# Altium PCB AD9361_EXT.PcbDoc (part 1 of 9) (continued)
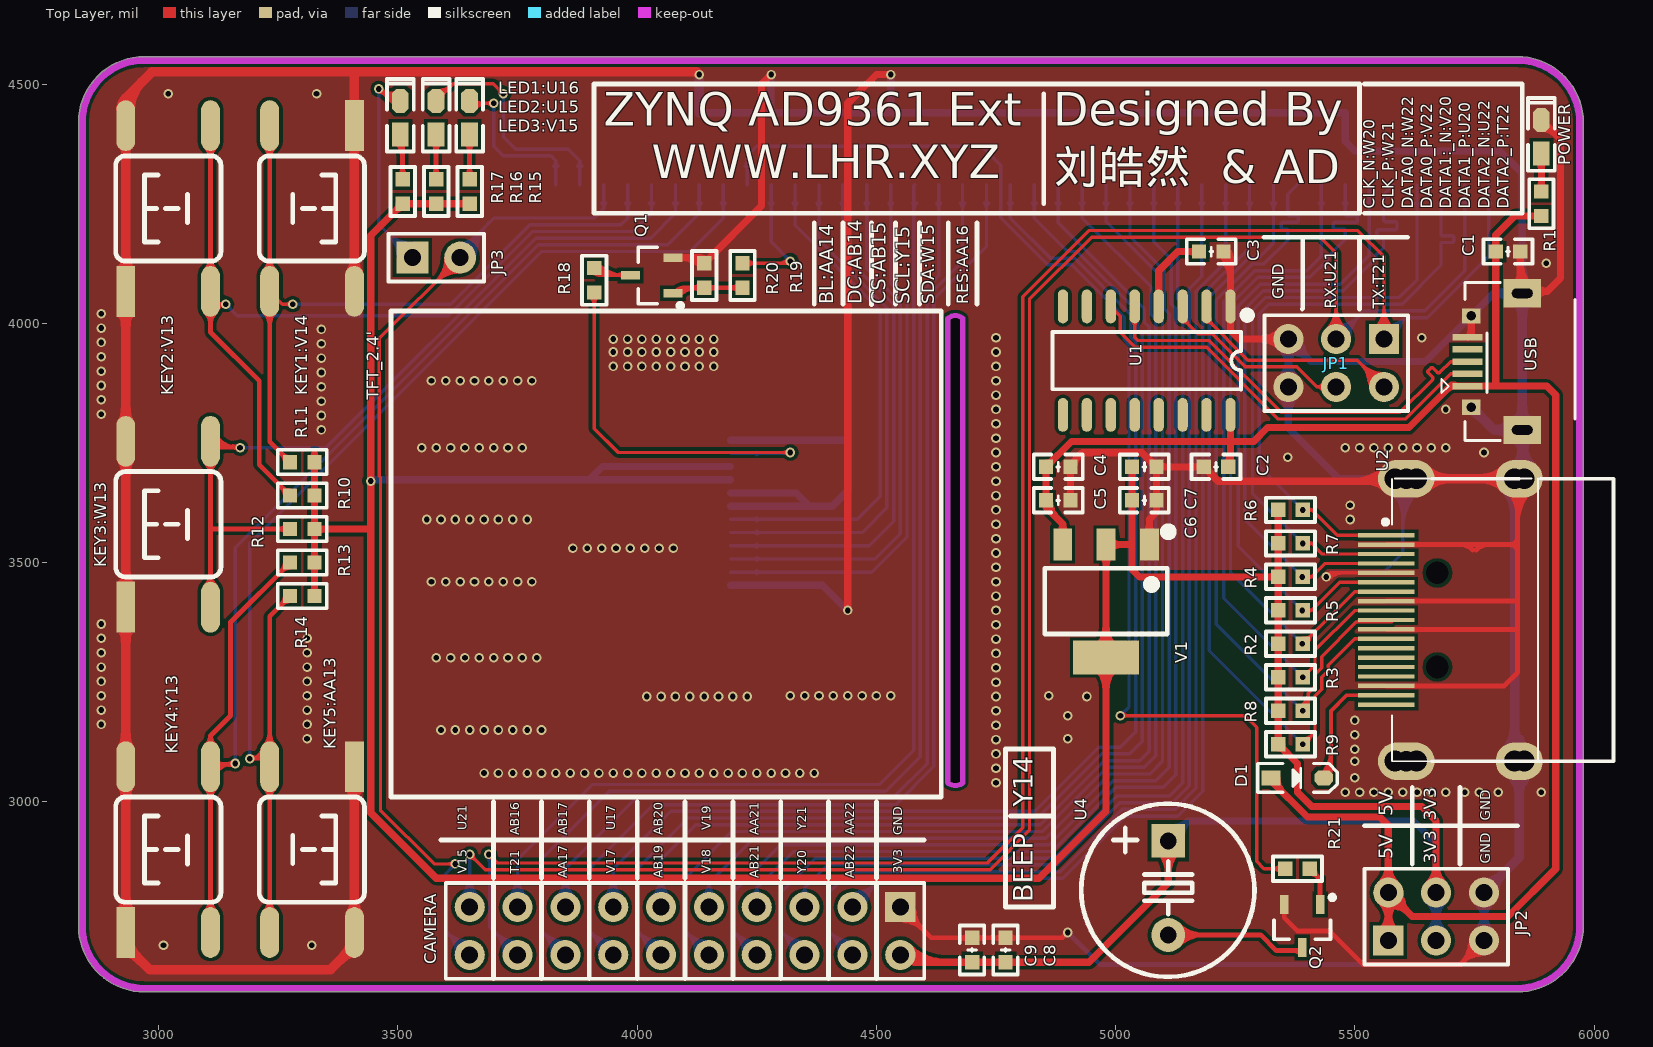
[diagram p0: Top Layer view]
## Nets (pads, with @x,y where several pads share a name; then routed paths per layer and width w, separated by ;. In a path a pad name is that pad's centre, name@x,y a point inside that pad or via, vN(x,y) a via of type N, cw(c..) or ccw(c..) an arc to the next point about the centre after c; other vN are vias at no path point)
3V3: C6.1 C7.1 C8.1 C9.1 CAMERA.2 JP2.3 JP2.4 R2.2 R3.2 R4.2 R5.2 R6.2 R7.2 R8.2 R9.2 R10.2 R11.2 R12.2 R13.2 R14.2 R15.1 R16.1 R17.1 TFT_2.4'.3 TFT_2.4'.4 U4.1 V1.2 | length 17399.6
  Top Layer w15: R14.2@3325.59,3430 R13.2@3325.59,3500 R12.2@3325.59,3570 ; R11.2@3325.59,3710 R10.2@3325.59,3640 R12.2@3325.59,3570 ; R15.1@3649.74,4250 R16.1@3579.74,4250 R17.1@3509.74,4250 3443.18,4183.44 3443.18,3570 ; CAMERA.2@4550,2680 4562.99,2680 4578.58,2664.41 C9.1@4700,2664.41 C8.1@4770,2664.41 4944.41,2664.41 5110,2830 U4.1@5110,2918.43 ; C7.1@5034.41,3700 C6.1@5034.41,3630 ; R6.2@5340,3610 R7.2@5340,3540 R4.2@5340,3470 ; JP2.4@5670,2810 5670,2960 5640,2990 5410,2990 5380,3020 5380,3080 R9.2@5340,3120 R8.2@5340,3190 R3.2@5340,3260 R2.2@5340,3330 R5.2@5340,3400 R4.2@5340,3470 ; R14.2@3320.28,3435.3 ccw(c3307.48,3448.1) 3325.59,3448.1 ; R14.2@3320.28,3435.3 ccw(c3307.48,3448.1) 3325.59,3448.1 ; R14.2@3320.28,3435.3 ccw(c3307.48,3448.1) 3325.59,3448.1 ; R14.2@3320.28,3435.3 ccw(c3307.48,3448.1) 3325.59,3448.1 ; R14.2@3320.28,3435.3 ccw(c3307.48,3448.1) 3325.59,3448.1 ; R14.2@3320.28,3435.3 ccw(c3307.48,3448.1) 3325.59,3448.1 ; R13.2@3320.28,3494.69 cw(c3307.48,3481.89) 3325.59,3481.89 ; R13.2@3320.28,3494.69 cw(c3307.48,3481.89) 3325.59,3481.89 ; R13.2@3320.28,3494.69 cw(c3307.48,3481.89) 3325.59,3481.89 ; R13.2@3320.28,3494.69 cw(c3307.48,3481.89) 3325.59,3481.89 ; R13.2@3320.28,3494.69 cw(c3307.48,3481.89) 3325.59,3481.89 ; R13.2@3320.28,3494.69 cw(c3307.48,3481.89) 3325.59,3481.89 ; R13.2@3320.28,3505.3 ccw(c3307.48,3518.1) 3325.59,3518.1 ; R13.2@3320.28,3505.3 ccw(c3307.48,3518.1) 3325.59,3518.1 ; R13.2@3320.28,3505.3 ccw(c3307.48,3518.1) 3325.59,3518.1 ; R13.2@3320.28,3505.3 ccw(c3307.48,3518.1) 3325.59,3518.1 ; R13.2@3320.28,3505.3 ccw(c3307.48,3518.1) 3325.59,3518.1 ; R13.2@3320.28,3505.3 ccw(c3307.48,3518.1) 3325.59,3518.1 ; R12.2@3320.28,3564.69 cw(c3307.48,3551.89) 3325.59,3551.89 ; R12.2@3320.28,3564.69 cw(c3307.48,3551.89) 3325.59,3551.89 ; R12.2@3320.28,3564.69 cw(c3307.48,3551.89) 3325.59,3551.89 ; R12.2@3320.28,3564.69 cw(c3307.48,3551.89) 3325.59,3551.89 ; R12.2@3320.28,3575.3 ccw(c3307.48,3588.1) 3325.59,3588.1 ; R12.2@3320.28,3575.3 ccw(c3307.48,3588.1) 3325.59,3588.1 ; R12.2@3320.28,3575.3 ccw(c3307.48,3588.1) 3325.59,3588.1 ; R12.2@3320.28,3575.3 ccw(c3307.48,3588.1) 3325.59,3588.1 ; R10.2@3320.28,3634.69 cw(c3307.48,3621.89) 3325.59,3621.89 ; R10.2@3320.28,3634.69 cw(c3307.48,3621.89) 3325.59,3621.89 ; R10.2@3320.28,3634.69 cw(c3307.48,3621.89) 3325.59,3621.89 ; R10.2@3320.28,3634.69 cw(c3307.48,3621.89) 3325.59,3621.89 ; R10.2@3320.28,3634.69 cw(c3307.48,3621.89) 3325.59,3621.89 ; R10.2@3320.28,3634.69 cw(c3307.48,3621.89) 3325.59,3621.89 ; R10.2@3320.28,3645.3 ccw(c3307.48,3658.1) 3325.59,3658.1 ; R10.2@3320.28,3645.3 ccw(c3307.48,3658.1) 3325.59,3658.1 ; R10.2@3320.28,3645.3 ccw(c3307.48,3658.1) 3325.59,3658.1 ; R10.2@3320.28,3645.3 ccw(c3307.48,3658.1) 3325.59,3658.1 ; R10.2@3320.28,3645.3 ccw(c3307.48,3658.1) 3325.59,3658.1 ; R10.2@3320.28,3645.3 ccw(c3307.48,3658.1) 3325.59,3658.1 ; R11.2@3320.28,3704.69 cw(c3307.48,3691.89) 3325.59,3691.89 ; R11.2@3320.28,3704.69 cw(c3307.48,3691.89) 3325.59,3691.89 ; R11.2@3320.28,3704.69 cw(c3307.48,3691.89) 3325.59,3691.89 ; R11.2@3320.28,3704.69 cw(c3307.48,3691.89) 3325.59,3691.89 ; R11.2@3320.28,3704.69 cw(c3307.48,3691.89) 3325.59,3691.89 ; R11.2@3320.28,3704.69 cw(c3307.48,3691.89) 3325.59,3691.89 ; 3325.59,3448.1 ccw(c3343.69,3448.1) R14.2@3330.89,3435.3 ; 3325.59,3448.1 ccw(c3343.69,3448.1) R14.2@3330.89,3435.3 ; 3325.59,3448.1 ccw(c3343.69,3448.1) R14.2@3330.89,3435.3 ; 3325.59,3448.1 ccw(c3343.69,3448.1) R14.2@3330.89,3435.3 ; 3325.59,3448.1 ccw(c3343.69,3448.1) R14.2@3330.89,3435.3 ; 3325.59,3448.1 ccw(c3343.69,3448.1) R14.2@3330.89,3435.3 ; 3325.59,3481.89 cw(c3343.69,3481.89) R13.2@3330.89,3494.69 ; 3325.59,3481.89 cw(c3343.69,3481.89) R13.2@3330.89,3494.69 ; 3325.59,3481.89 cw(c3343.69,3481.89) R13.2@3330.89,3494.69 ; 3325.59,3481.89 cw(c3343.69,3481.89) R13.2@3330.89,3494.69 ; 3325.59,3481.89 cw(c3343.69,3481.89) R13.2@3330.89,3494.69 ; 3325.59,3481.89 cw(c3343.69,3481.89) R13.2@3330.89,3494.69 ; 3325.59,3518.1 ccw(c3343.69,3518.1) R13.2@3330.89,3505.3 ; 3325.59,3518.1 ccw(c3343.69,3518.1) R13.2@3330.89,3505.3 ; 3325.59,3518.1 ccw(c3343.69,3518.1) R13.2@3330.89,3505.3 ; 3325.59,3518.1 ccw(c3343.69,3518.1) R13.2@3330.89,3505.3 ; 3325.59,3518.1 ccw(c3343.69,3518.1) R13.2@3330.89,3505.3 ; 3325.59,3518.1 ccw(c3343.69,3518.1) R13.2@3330.89,3505.3 ; 3325.59,3551.89 cw(c3343.69,3551.89) R12.2@3330.89,3564.69 ; 3325.59,3551.89 cw(c3343.69,3551.89) R12.2@3330.89,3564.69 ; 3325.59,3551.89 cw(c3343.69,3551.89) R12.2@3330.89,3564.69 ; 3325.59,3551.89 cw(c3343.69,3551.89) R12.2@3330.89,3564.69 ; R12.2@3325.59,3570 3443.18,3570 ; 3325.59,3588.1 ccw(c3343.69,3588.1) R12.2@3330.89,3575.3 ; 3325.59,3588.1 ccw(c3343.69,3588.1) R12.2@3330.89,3575.3 ; 3325.59,3588.1 ccw(c3343.69,3588.1) R12.2@3330.89,3575.3 ; 3325.59,3588.1 ccw(c3343.69,3588.1) R12.2@3330.89,3575.3 ; 3325.59,3621.89 cw(c3343.69,3621.89) R10.2@3330.89,3634.69 ; 3325.59,3621.89 cw(c3343.69,3621.89) R10.2@3330.89,3634.69 ; 3325.59,3621.89 cw(c3343.69,3621.89) R10.2@3330.89,3634.69 ; 3325.59,3621.89 cw(c3343.69,3621.89) R10.2@3330.89,3634.69 ; 3325.59,3621.89 cw(c3343.69,3621.89) R10.2@3330.89,3634.69 ; 3325.59,3621.89 cw(c3343.69,3621.89) R10.2@3330.89,3634.69 ; 3325.59,3658.1 ccw(c3343.69,3658.1) R10.2@3330.89,3645.3 ; 3325.59,3658.1 ccw(c3343.69,3658.1) R10.2@3330.89,3645.3 ; 3325.59,3658.1 ccw(c3343.69,3658.1) R10.2@3330.89,3645.3 ; 3325.59,3658.1 ccw(c3343.69,3658.1) R10.2@3330.89,3645.3 ; 3325.59,3658.1 ccw(c3343.69,3658.1) R10.2@3330.89,3645.3 ; 3325.59,3658.1 ccw(c3343.69,3658.1) R10.2@3330.89,3645.3 ; 3325.59,3691.89 cw(c3343.69,3691.89) R11.2@3330.89,3704.69 ; 3325.59,3691.89 cw(c3343.69,3691.89) R11.2@3330.89,3704.69 ; 3325.59,3691.89 cw(c3343.69,3691.89) R11.2@3330.89,3704.69 ; 3325.59,3691.89 cw(c3343.69,3691.89) R11.2@3330.89,3704.69 ; 3325.59,3691.89 cw(c3343.69,3691.89) R11.2@3330.89,3704.69 ; 3325.59,3691.89 cw(c3343.69,3691.89) R11.2@3330.89,3704.69 ; 3325.59,3728.1 cw(c3307.48,3728.1) 3320.28,3715.3 ccw(c3307.48,3728.1) 3325.59,3728.1 ; 3325.59,3728.1 ccw(c3343.69,3728.1) 3330.89,3715.3 cw(c3343.69,3728.1) 3325.59,3728.1 ; R12.2@3330.89,3564.69 cw(c3343.69,3551.89) 3343.69,3570 ; R12.2@3330.89,3564.69 cw(c3343.69,3551.89) 3343.69,3570 ; R12.2@3330.89,3564.69 cw(c3343.69,3551.89) 3343.69,3570 ; R12.2@3330.89,3564.69 cw(c3343.69,3551.89) 3343.69,3570 ; R12.2@3330.89,3575.3 ccw(c3343.69,3588.1) 3343.69,3570 ; R12.2@3330.89,3575.3 ccw(c3343.69,3588.1) 3343.69,3570 ; R12.2@3330.89,3575.3 ccw(c3343.69,3588.1) 3343.69,3570 ; R12.2@3330.89,3575.3 ccw(c3343.69,3588.1) 3343.69,3570 ; 3443.18,3570 3443.18,2976.82 3580,2840 4840,2840 4980,2980 V1.2@4980,3301.26 V1.2@4980,3537.48 5031.89,3537.48 5034.41,3540 C6.1@5034.41,3630 ; R17.1@3496.94,4237.2 cw(c3509.74,4224.39) R17.1@3509.74,4242.5 ; R17.1@3496.94,4237.2 ccw(c3484.14,4250) R17.1@3502.24,4250 ; R17.1@3496.94,4237.2 cw(c3509.74,4224.39) R17.1@3509.74,4242.5 ; R17.1@3496.94,4237.2 ccw(c3484.14,4250) R17.1@3502.24,4250 ; R17.1@3496.94,4237.2 cw(c3509.74,4224.39) R17.1@3509.74,4242.5 ; R17.1@3496.94,4237.2 ccw(c3484.14,4250) R17.1@3502.24,4250 ; R17.1@3496.94,4237.2 cw(c3509.74,4224.39) R17.1@3509.74,4242.5 ; R17.1@3496.94,4237.2 ccw(c3484.14,4250) R17.1@3502.24,4250 ; R17.1@3515.05,4244.7 cw(c3527.85,4231.89) 3527.85,4250 ; R17.1@3515.05,4244.7 cw(c3527.85,4231.89) 3527.85,4250 ; R17.1@3515.05,4244.7 cw(c3527.85,4231.89) 3527.85,4250 ; R17.1@3515.05,4244.7 cw(c3527.85,4231.89) 3527.85,4250 ; R17.1@3515.05,4255.3 ccw(c3527.85,4268.11) 3527.85,4250 ; R17.1@3515.05,4255.3 ccw(c3527.85,4268.11) 3527.85,4250 ; R17.1@3515.05,4255.3 ccw(c3527.85,4268.11) 3527.85,4250 ; R17.1@3515.05,4255.3 ccw(c3527.85,4268.11) 3527.85,4250 ; 3561.64,4250 cw(c3561.64,4231.89) R16.1@3574.44,4244.7 ; 3561.64,4250 ccw(c3561.64,4268.11) R16.1@3574.44,4255.3 ; 3561.64,4250 cw(c3561.64,4231.89) R16.1@3574.44,4244.7 ; 3561.64,4250 ccw(c3561.64,4268.11) R16.1@3574.44,4255.3 ; 3561.64,4250 cw(c3561.64,4231.89) R16.1@3574.44,4244.7 ; 3561.64,4250 ccw(c3561.64,4268.11) R16.1@3574.44,4255.3 ; 3561.64,4250 cw(c3561.64,4231.89) R16.1@3574.44,4244.7 ; 3561.64,4250 ccw(c3561.64,4268.11) R16.1@3574.44,4255.3 ; R16.1@3585.05,4244.7 cw(c3597.85,4231.89) 3597.85,4250 ; R16.1@3585.05,4244.7 cw(c3597.85,4231.89) 3597.85,4250 ; R16.1@3585.05,4244.7 cw(c3597.85,4231.89) 3597.85,4250 ; R16.1@3585.05,4244.7 cw(c3597.85,4231.89) 3597.85,4250 ; R16.1@3585.05,4255.3 ccw(c3597.85,4268.11) 3597.85,4250 ; R16.1@3585.05,4255.3 ccw(c3597.85,4268.11) 3597.85,4250 ; R16.1@3585.05,4255.3 ccw(c3597.85,4268.11) 3597.85,4250 ; R16.1@3585.05,4255.3 ccw(c3597.85,4268.11) 3597.85,4250 ; 3631.64,4250 cw(c3631.64,4231.89) R15.1@3644.44,4244.7 ; 3631.64,4250 ccw(c3631.64,4268.11) R15.1@3644.44,4255.3 ; 3631.64,4250 cw(c3631.64,4231.89) R15.1@3644.44,4244.7 ; 3631.64,4250 ccw(c3631.64,4268.11) R15.1@3644.44,4255.3 ; 3631.64,4250 cw(c3631.64,4231.89) R15.1@3644.44,4244.7 ; 3631.64,4250 ccw(c3631.64,4268.11) R15.1@3644.44,4255.3 ; 3631.64,4250 cw(c3631.64,4231.89) R15.1@3644.44,4244.7 ; 3631.64,4250 ccw(c3631.64,4268.11) R15.1@3644.44,4255.3 ; CAMERA.2@4556.36,2686.36 ccw(c4609.36,2739.36) 4609.36,2664.41 ; CAMERA.2@4556.36,2686.36 ccw(c4609.36,2739.36) 4609.36,2664.41 ; CAMERA.2@4556.36,2686.36 ccw(c4609.36,2739.36) 4609.36,2664.41 ; CAMERA.2@4556.36,2686.36 ccw(c4609.36,2739.36) 4609.36,2664.41 ; CAMERA.2@4566.97,2696.97 ccw(c4645.58,2775.58) 4645.58,2664.41 ; CAMERA.2@4566.97,2696.97 ccw(c4645.58,2775.58) 4645.58,2664.41 ; CAMERA.2@4566.97,2696.97 ccw(c4645.58,2775.58) 4645.58,2664.41 ; CAMERA.2@4566.97,2696.97 ccw(c4645.58,2775.58) 4645.58,2664.41 ; CAMERA.2@4569.49,2666 cw(c4579.47,2658.82) 4585.62,2669.47 ; CAMERA.2@4569.49,2666 cw(c4579.47,2658.82) 4585.62,2669.47 ; CAMERA.2@4569.49,2666 cw(c4579.47,2658.82) 4585.62,2669.47 ; CAMERA.2@4569.49,2666 cw(c4579.47,2658.82) 4585.62,2669.47 ; CAMERA.2@4569.49,2666 cw(c4579.47,2658.82) 4585.62,2669.47 ; CAMERA.2@4569.49,2666 cw(c4579.47,2658.82) 4585.62,2669.47 ; CAMERA.2@4573.28,2685.83 ccw(c4598.74,2692.21) 4585.62,2669.47 ; CAMERA.2@4573.28,2685.83 ccw(c4598.74,2692.21) 4585.62,2669.47 ; CAMERA.2@4573.28,2685.83 ccw(c4598.74,2692.21) 4585.62,2669.47 ; CAMERA.2@4573.28,2685.83 ccw(c4598.74,2692.21) 4585.62,2669.47 ; CAMERA.2@4573.28,2685.83 ccw(c4598.74,2692.21) 4585.62,2669.47 ; CAMERA.2@4573.28,2685.83 ccw(c4598.74,2692.21) 4585.62,2669.47 ; 4681.9,2664.41 cw(c4681.9,2646.3) C9.1@4694.7,2659.1 ; 4681.9,2664.41 ccw(c4681.9,2682.51) C9.1@4694.7,2669.71 ; 4681.9,2664.41 cw(c4681.9,2646.3) C9.1@4694.7,2659.1 ; 4681.9,2664.41 ccw(c4681.9,2682.51) C9.1@4694.7,2669.71 ; 4681.9,2664.41 cw(c4681.9,2646.3) C9.1@4694.7,2659.1 ; 4681.9,2664.41 ccw(c4681.9,2682.51) C9.1@4694.7,2669.71 ; 4681.9,2664.41 cw(c4681.9,2646.3) C9.1@4694.7,2659.1 ; 4681.9,2664.41 ccw(c4681.9,2682.51) C9.1@4694.7,2669.71 ; C9.1@4705.31,2659.1 cw(c4718.11,2646.3) 4718.11,2664.41 ; C9.1@4705.31,2659.1 cw(c4718.11,2646.3) 4718.11,2664.41 ; C9.1@4705.31,2659.1 cw(c4718.11,2646.3) 4718.11,2664.41 ; C9.1@4705.31,2659.1 cw(c4718.11,2646.3) 4718.11,2664.41 ; C9.1@4705.31,2669.71 ccw(c4718.11,2682.51) 4718.11,2664.41 ; C9.1@4705.31,2669.71 ccw(c4718.11,2682.51) 4718.11,2664.41 ; C9.1@4705.31,2669.71 ccw(c4718.11,2682.51) 4718.11,2664.41 ; C9.1@4705.31,2669.71 ccw(c4718.11,2682.51) 4718.11,2664.41 ; 4751.9,2664.41 cw(c4751.9,2646.3) C8.1@4764.7,2659.1 ; 4751.9,2664.41 ccw(c4751.9,2682.51) C8.1@4764.7,2669.71 ; 4751.9,2664.41 cw(c4751.9,2646.3) C8.1@4764.7,2659.1 ; 4751.9,2664.41 ccw(c4751.9,2682.51) C8.1@4764.7,2669.71 ; 4751.9,2664.41 cw(c4751.9,2646.3) C8.1@4764.7,2659.1 ; 4751.9,2664.41 ccw(c4751.9,2682.51) C8.1@4764.7,2669.71 ; 4751.9,2664.41 cw(c4751.9,2646.3) C8.1@4764.7,2659.1 ; 4751.9,2664.41 ccw(c4751.9,2682.51) C8.1@4764.7,2669.71 ; C8.1@4775.31,2659.1 cw(c4788.11,2646.3) 4788.11,2664.41 ; C8.1@4775.31,2659.1 cw(c4788.11,2646.3) 4788.11,2664.41 ; C8.1@4775.31,2659.1 cw(c4788.11,2646.3) 4788.11,2664.41 ; C8.1@4775.31,2659.1 cw(c4788.11,2646.3) 4788.11,2664.41 ; C8.1@4775.31,2669.71 ccw(c4788.11,2682.51) 4788.11,2664.41 ; C8.1@4775.31,2669.71 ccw(c4788.11,2682.51) 4788.11,2664.41 ; C8.1@4775.31,2669.71 ccw(c4788.11,2682.51) 4788.11,2664.41 ; C8.1@4775.31,2669.71 ccw(c4788.11,2682.51) 4788.11,2664.41 ; V1.2@4960.25,3281.51 cw(c4912.56,3233.82) 4980,3233.82 ; V1.2@4960.25,3281.51 cw(c4912.56,3233.82) 4980,3233.82 ; V1.2@4960.25,3281.51 cw(c4912.56,3233.82) 4980,3233.82 ; V1.2@4960.25,3281.51 cw(c4912.56,3233.82) 4980,3233.82 ; V1.2@4960.25,3321.01 ccw(c4912.56,3368.7) 4980,3368.7 ; V1.2@4960.25,3321.01 ccw(c4912.56,3368.7) 4980,3368.7 ; V1.2@4960.25,3321.01 ccw(c4912.56,3368.7) 4980,3368.7 ; V1.2@4960.25,3321.01 ccw(c4912.56,3368.7) 4980,3368.7 ; V1.2@4971.38,3515.08 cw(c4950.58,3494.28) 4980,3494.28 ; V1.2@4971.38,3515.08 cw(c4950.58,3494.28) 4980,3494.28 ; V1.2@4971.38,3515.08 cw(c4950.58,3494.28) 4980,3494.28 ; V1.2@4971.38,3515.08 cw(c4950.58,3494.28) 4980,3494.28 ; 4980,3233.82 cw(c5047.44,3233.82) V1.2@4999.75,3281.51 ; 4980,3233.82 cw(c5047.44,3233.82) V1.2@4999.75,3281.51 ; 4980,3233.82 cw(c5047.44,3233.82) V1.2@4999.75,3281.51 ; 4980,3233.82 cw(c5047.44,3233.82) V1.2@4999.75,3281.51 ; 4980,3368.7 ccw(c5047.44,3368.7) V1.2@4999.75,3321.01 ; 4980,3368.7 ccw(c5047.44,3368.7) V1.2@4999.75,3321.01 ; 4980,3368.7 ccw(c5047.44,3368.7) V1.2@4999.75,3321.01 ; 4980,3368.7 ccw(c5047.44,3368.7) V1.2@4999.75,3321.01 ; 4980,3494.28 cw(c5009.42,3494.28) V1.2@4988.62,3515.08 ; 4980,3494.28 cw(c5009.42,3494.28) V1.2@4988.62,3515.08 ; 4980,3494.28 cw(c5009.42,3494.28) V1.2@4988.62,3515.08 ; 4980,3494.28 cw(c5009.42,3494.28) V1.2@4988.62,3515.08 ; V1.2@4988.62,3528.86 cw(c5009.42,3508.06) 5009.42,3537.48 ; V1.2@4988.62,3528.86 cw(c5009.42,3508.06) 5009.42,3537.48 ; V1.2@4988.62,3528.86 cw(c5009.42,3508.06) 5009.42,3537.48 ; V1.2@4988.62,3528.86 cw(c5009.42,3508.06) 5009.42,3537.48 ; V1.2@4988.62,3546.1 ccw(c5009.42,3566.9) 5009.42,3537.48 ; V1.2@4988.62,3546.1 ccw(c5009.42,3566.9) 5009.42,3537.48 ; V1.2@4988.62,3546.1 ccw(c5009.42,3566.9) 5009.42,3537.48 ; V1.2@4988.62,3546.1 ccw(c5009.42,3566.9) 5009.42,3537.48 ; C6.1@5029.1,3624.69 cw(c5016.3,3611.89) 5034.41,3611.89 ; C6.1@5029.1,3624.69 cw(c5016.3,3611.89) 5034.41,3611.89 ; C6.1@5029.1,3624.69 cw(c5016.3,3611.89) 5034.41,3611.89 ; C6.1@5029.1,3624.69 cw(c5016.3,3611.89) 5034.41,3611.89 ; C6.1@5029.1,3624.69 cw(c5016.3,3611.89) 5034.41,3611.89 ; C6.1@5029.1,3624.69 cw(c5016.3,3611.89) 5034.41,3611.89 ; C6.1@5029.1,3624.69 cw(c5016.3,3611.89) 5034.41,3611.89 ; C6.1@5029.1,3624.69 cw(c5016.3,3611.89) 5034.41,3611.89 ; C6.1@5029.1,3635.3 ccw(c5016.3,3648.1) 5034.41,3648.1 ; C6.1@5029.1,3635.3 ccw(c5016.3,3648.1) 5034.41,3648.1 ; C6.1@5029.1,3635.3 ccw(c5016.3,3648.1) 5034.41,3648.1 ; C6.1@5029.1,3635.3 ccw(c5016.3,3648.1) 5034.41,3648.1 ; C7.1@5029.1,3694.69 cw(c5016.3,3681.89) 5034.41,3681.89 ; C7.1@5029.1,3694.69 cw(c5016.3,3681.89) 5034.41,3681.89 ; C7.1@5029.1,3694.69 cw(c5016.3,3681.89) 5034.41,3681.89 ; C7.1@5029.1,3694.69 cw(c5016.3,3681.89) 5034.41,3681.89 ; 5034.41,3611.89 cw(c5052.51,3611.89) C6.1@5039.71,3624.69 ; 5034.41,3611.89 cw(c5052.51,3611.89) C6.1@5039.71,3624.69 ; 5034.41,3611.89 cw(c5052.51,3611.89) C6.1@5039.71,3624.69 ; 5034.41,3611.89 cw(c5052.51,3611.89) C6.1@5039.71,3624.69 ; 5034.41,3611.89 cw(c5052.51,3611.89) C6.1@5039.71,3624.69 ; 5034.41,3611.89 cw(c5052.51,3611.89) C6.1@5039.71,3624.69 ; 5034.41,3611.89 cw(c5052.51,3611.89) C6.1@5039.71,3624.69 ; 5034.41,3611.89 cw(c5052.51,3611.89) C6.1@5039.71,3624.69 ; C6.1@5034.41,3630 5034.41,3485.59 5050,3470 R4.2@5340,3470 ; 5034.41,3648.1 ccw(c5052.51,3648.1) C6.1@5039.71,3635.3 ; 5034.41,3648.1 ccw(c5052.51,3648.1) C6.1@5039.71,3635.3 ; 5034.41,3648.1 ccw(c5052.51,3648.1) C6.1@5039.71,3635.3 ; 5034.41,3648.1 ccw(c5052.51,3648.1) C6.1@5039.71,3635.3 ; 5034.41,3681.89 cw(c5052.51,3681.89) C7.1@5039.71,3694.69 ; 5034.41,3681.89 cw(c5052.51,3681.89) C7.1@5039.71,3694.69 ; 5034.41,3681.89 cw(c5052.51,3681.89) C7.1@5039.71,3694.69 ; 5034.41,3681.89 cw(c5052.51,3681.89) C7.1@5039.71,3694.69 ; U4.1@5090.25,2898.67 cw(c5042.56,2850.99) 5110,2850.99 ; U4.1@5090.25,2898.67 cw(c5042.56,2850.99) 5110,2850.99 ; U4.1@5090.25,2898.67 cw(c5042.56,2850.99) 5110,2850.99 ; U4.1@5090.25,2898.67 cw(c5042.56,2850.99) 5110,2850.99 ; 5110,2850.99 cw(c5177.44,2850.99) U4.1@5129.75,2898.67 ; 5110,2850.99 cw(c5177.44,2850.99) U4.1@5129.75,2898.67 ; 5110,2850.99 cw(c5177.44,2850.99) U4.1@5129.75,2898.67 ; 5110,2850.99 cw(c5177.44,2850.99) U4.1@5129.75,2898.67 ; 5321.89,3470 cw(c5321.89,3451.9) R4.2@5334.7,3464.7 ; 5321.89,3470 ccw(c5321.89,3488.11) R4.2@5334.7,3475.31 ; 5321.89,3470 cw(c5321.89,3451.9) R4.2@5334.7,3464.7 ; 5321.89,3470 ccw(c5321.89,3488.11) R4.2@5334.7,3475.31 ; 5321.89,3470 cw(c5321.89,3451.9) R4.2@5334.7,3464.7 ; 5321.89,3470 ccw(c5321.89,3488.11) R4.2@5334.7,3475.31 ; 5321.89,3470 cw(c5321.89,3451.9) R4.2@5334.7,3464.7 ; 5321.89,3470 ccw(c5321.89,3488.11) R4.2@5334.7,3475.31 ; R9.2@5334.7,3125.31 ccw(c5321.89,3138.11) 5340,3138.11 ; R9.2@5334.7,3125.31 ccw(c5321.89,3138.11) 5340,3138.11 ; R9.2@5334.7,3125.31 ccw(c5321.89,3138.11) 5340,3138.11 ; R9.2@5334.7,3125.31 ccw(c5321.89,3138.11) 5340,3138.11 ; R8.2@5334.7,3184.7 cw(c5321.89,3171.9) 5340,3171.9 ; R8.2@5334.7,3184.7 cw(c5321.89,3171.9) 5340,3171.9 ; R8.2@5334.7,3184.7 cw(c5321.89,3171.9) 5340,3171.9 ; R8.2@5334.7,3184.7 cw(c5321.89,3171.9) 5340,3171.9 ; R8.2@5334.7,3195.31 ccw(c5321.89,3208.11) 5340,3208.11 ; R8.2@5334.7,3195.31 ccw(c5321.89,3208.11) 5340,3208.11 ; R8.2@5334.7,3195.31 ccw(c5321.89,3208.11) 5340,3208.11 ; R8.2@5334.7,3195.31 ccw(c5321.89,3208.11) 5340,3208.11 ; R3.2@5334.7,3254.7 cw(c5321.89,3241.9) 5340,3241.9 ; R3.2@5334.7,3254.7 cw(c5321.89,3241.9) 5340,3241.9 ; R3.2@5334.7,3254.7 cw(c5321.89,3241.9) 5340,3241.9 ; R3.2@5334.7,3254.7 cw(c5321.89,3241.9) 5340,3241.9 ; R3.2@5334.7,3265.31 ccw(c5321.89,3278.11) 5340,3278.11 ; R3.2@5334.7,3265.31 ccw(c5321.89,3278.11) 5340,3278.11 ; R3.2@5334.7,3265.31 ccw(c5321.89,3278.11) 5340,3278.11 ; R3.2@5334.7,3265.31 ccw(c5321.89,3278.11) 5340,3278.11 ; R2.2@5334.7,3324.7 cw(c5321.89,3311.9) 5340,3311.9 ; R2.2@5334.7,3324.7 cw(c5321.89,3311.9) 5340,3311.9 ; R2.2@5334.7,3324.7 cw(c5321.89,3311.9) 5340,3311.9 ; R2.2@5334.7,3324.7 cw(c5321.89,3311.9) 5340,3311.9 ; R2.2@5334.7,3335.31 ccw(c5321.89,3348.11) 5340,3348.11 ; R2.2@5334.7,3335.31 ccw(c5321.89,3348.11) 5340,3348.11 ; R2.2@5334.7,3335.31 ccw(c5321.89,3348.11) 5340,3348.11 ; R2.2@5334.7,3335.31 ccw(c5321.89,3348.11) 5340,3348.11 ; R5.2@5334.7,3394.7 cw(c5321.89,3381.9) 5340,3381.9 ; R5.2@5334.7,3394.7 cw(c5321.89,3381.9) 5340,3381.9 ; R5.2@5334.7,3394.7 cw(c5321.89,3381.9) 5340,3381.9 ; R5.2@5334.7,3394.7 cw(c5321.89,3381.9) 5340,3381.9 ; R5.2@5334.7,3405.31 ccw(c5321.89,3418.11) 5340,3418.11 ; R5.2@5334.7,3405.31 ccw(c5321.89,3418.11) 5340,3418.11 ; R5.2@5334.7,3405.31 ccw(c5321.89,3418.11) 5340,3418.11 ; R5.2@5334.7,3405.31 ccw(c5321.89,3418.11) 5340,3418.11 ; R4.2@5334.7,3464.7 cw(c5321.89,3451.9) 5340,3451.9 ; R4.2@5334.7,3464.7 cw(c5321.89,3451.9) 5340,3451.9 ; R4.2@5334.7,3464.7 cw(c5321.89,3451.9) 5340,3451.9 ; R4.2@5334.7,3464.7 cw(c5321.89,3451.9) 5340,3451.9 ; R4.2@5334.7,3475.31 ccw(c5321.89,3488.11) 5340,3488.11 ; R4.2@5334.7,3475.31 ccw(c5321.89,3488.11) 5340,3488.11 ; R4.2@5334.7,3475.31 ccw(c5321.89,3488.11) 5340,3488.11 ; R4.2@5334.7,3475.31 ccw(c5321.89,3488.11) 5340,3488.11 ; R7.2@5334.7,3534.7 cw(c5321.89,3521.89) 5340,3521.89 ; R7.2@5334.7,3534.7 cw(c5321.89,3521.89) 5340,3521.89 ; R7.2@5334.7,3534.7 cw(c5321.89,3521.89) 5340,3521.89 ; R7.2@5334.7,3534.7 cw(c5321.89,3521.89) 5340,3521.89 ; R7.2@5334.7,3545.3 ccw(c5321.89,3558.11) 5340,3558.11 ; R7.2@5334.7,3545.3 ccw(c5321.89,3558.11) 5340,3558.11 ; R7.2@5334.7,3545.3 ccw(c5321.89,3558.11) 5340,3558.11 ; R7.2@5334.7,3545.3 ccw(c5321.89,3558.11) 5340,3558.11 ; R6.2@5334.7,3604.7 cw(c5321.89,3591.89) 5340,3591.89 ; R6.2@5334.7,3604.7 cw(c5321.89,3591.89) 5340,3591.89 ; R6.2@5334.7,3604.7 cw(c5321.89,3591.89) 5340,3591.89 ; R6.2@5334.7,3604.7 cw(c5321.89,3591.89) 5340,3591.89 ; R9.2@5340,3112.5 cw(c5340,3094.4) R9.2@5352.8,3107.2 ; R9.2@5340,3112.5 cw(c5340,3094.4) R9.2@5352.8,3107.2 ; R9.2@5340,3112.5 cw(c5340,3094.4) R9.2@5352.8,3107.2 ; R9.2@5340,3112.5 cw(c5340,3094.4) R9.2@5352.8,3107.2 ; 5340,3138.11 ccw(c5358.11,3138.11) R9.2@5345.3,3125.31 ; 5340,3138.11 ccw(c5358.11,3138.11) R9.2@5345.3,3125.31 ; 5340,3138.11 ccw(c5358.11,3138.11) R9.2@5345.3,3125.31 ; 5340,3138.11 ccw(c5358.11,3138.11) R9.2@5345.3,3125.31 ; 5340,3171.9 cw(c5358.11,3171.9) R8.2@5345.3,3184.7 ; 5340,3171.9 cw(c5358.11,3171.9) R8.2@5345.3,3184.7 ; 5340,3171.9 cw(c5358.11,3171.9) R8.2@5345.3,3184.7 ; 5340,3171.9 cw(c5358.11,3171.9) R8.2@5345.3,3184.7 ; 5340,3208.11 ccw(c5358.11,3208.11) R8.2@5345.3,3195.31 ; 5340,3208.11 ccw(c5358.11,3208.11) R8.2@5345.3,3195.31 ; 5340,3208.11 ccw(c5358.11,3208.11) R8.2@5345.3,3195.31 ; 5340,3208.11 ccw(c5358.11,3208.11) R8.2@5345.3,3195.31 ; 5340,3241.9 cw(c5358.11,3241.9) R3.2@5345.3,3254.7 ; 5340,3241.9 cw(c5358.11,3241.9) R3.2@5345.3,3254.7 ; 5340,3241.9 cw(c5358.11,3241.9) R3.2@5345.3,3254.7 ; 5340,3241.9 cw(c5358.11,3241.9) R3.2@5345.3,3254.7 ; 5340,3278.11 ccw(c5358.11,3278.11) R3.2@5345.3,3265.31 ; 5340,3278.11 ccw(c5358.11,3278.11) R3.2@5345.3,3265.31 ; 5340,3278.11 ccw(c5358.11,3278.11) R3.2@5345.3,3265.31 ; 5340,3278.11 ccw(c5358.11,3278.11) R3.2@5345.3,3265.31 ; 5340,3311.9 cw(c5358.11,3311.9) R2.2@5345.3,3324.7 ; 5340,3311.9 cw(c5358.11,3311.9) R2.2@5345.3,3324.7 ; 5340,3311.9 cw(c5358.11,3311.9) R2.2@5345.3,3324.7 ; 5340,3311.9 cw(c5358.11,3311.9) R2.2@5345.3,3324.7 ; 5340,3348.11 ccw(c5358.11,3348.11) R2.2@5345.3,3335.31 ; 5340,3348.11 ccw(c5358.11,3348.11) R2.2@5345.3,3335.31 ; 5340,3348.11 ccw(c5358.11,3348.11) R2.2@5345.3,3335.31 ; 5340,3348.11 ccw(c5358.11,3348.11) R2.2@5345.3,3335.31 ; 5340,3381.9 cw(c5358.11,3381.9) R5.2@5345.3,3394.7 ; 5340,3381.9 cw(c5358.11,3381.9) R5.2@5345.3,3394.7 ; 5340,3381.9 cw(c5358.11,3381.9) R5.2@5345.3,3394.7 ; 5340,3381.9 cw(c5358.11,3381.9) R5.2@5345.3,3394.7 ; 5340,3418.11 ccw(c5358.11,3418.11) R5.2@5345.3,3405.31 ; 5340,3418.11 ccw(c5358.11,3418.11) R5.2@5345.3,3405.31 ; 5340,3418.11 ccw(c5358.11,3418.11) R5.2@5345.3,3405.31 ; 5340,3418.11 ccw(c5358.11,3418.11) R5.2@5345.3,3405.31 ; 5340,3451.9 cw(c5358.11,3451.9) R4.2@5345.3,3464.7 ; 5340,3451.9 cw(c5358.11,3451.9) R4.2@5345.3,3464.7 ; 5340,3451.9 cw(c5358.11,3451.9) R4.2@5345.3,3464.7 ; 5340,3451.9 cw(c5358.11,3451.9) R4.2@5345.3,3464.7 ; 5340,3488.11 ccw(c5358.11,3488.11) R4.2@5345.3,3475.31 ; 5340,3488.11 ccw(c5358.11,3488.11) R4.2@5345.3,3475.31 ; 5340,3488.11 ccw(c5358.11,3488.11) R4.2@5345.3,3475.31 ; 5340,3488.11 ccw(c5358.11,3488.11) R4.2@5345.3,3475.31 ; 5340,3521.89 cw(c5358.11,3521.89) R7.2@5345.3,3534.7 ; 5340,3521.89 cw(c5358.11,3521.89) R7.2@5345.3,3534.7 ; 5340,3521.89 cw(c5358.11,3521.89) R7.2@5345.3,3534.7 ; 5340,3521.89 cw(c5358.11,3521.89) R7.2@5345.3,3534.7 ; 5340,3558.11 ccw(c5358.11,3558.11) R7.2@5345.3,3545.3 ; 5340,3558.11 ccw(c5358.11,3558.11) R7.2@5345.3,3545.3 ; 5340,3558.11 ccw(c5358.11,3558.11) R7.2@5345.3,3545.3 ; 5340,3558.11 ccw(c5358.11,3558.11) R7.2@5345.3,3545.3 ; 5340,3591.89 cw(c5358.11,3591.89) R6.2@5345.3,3604.7 ; 5340,3591.89 cw(c5358.11,3591.89) R6.2@5345.3,3604.7 ; 5340,3591.89 cw(c5358.11,3591.89) R6.2@5345.3,3604.7 ; 5340,3591.89 cw(c5358.11,3591.89) R6.2@5345.3,3604.7 ; R9.2@5347.5,3120 ccw(c5365.61,3120) R9.2@5352.8,3107.2 ; R9.2@5347.5,3120 ccw(c5365.61,3120) R9.2@5352.8,3107.2 ; R9.2@5347.5,3120 ccw(c5365.61,3120) R9.2@5352.8,3107.2 ; R9.2@5347.5,3120 ccw(c5365.61,3120) R9.2@5352.8,3107.2 ; JP2.4@5653.03,2826.97 ccw(c5612.07,2867.93) 5670,2867.93 ; JP2.4@5653.03,2826.97 ccw(c5612.07,2867.93) 5670,2867.93 ; JP2.4@5653.03,2826.97 ccw(c5612.07,2867.93) 5670,2867.93 ; JP2.4@5653.03,2826.97 ccw(c5612.07,2867.93) 5670,2867.93 ; 5670,2867.93 ccw(c5727.93,2867.93) JP2.4@5686.97,2826.97 ; 5670,2867.93 ccw(c5727.93,2867.93) JP2.4@5686.97,2826.97 ; 5670,2867.93 ccw(c5727.93,2867.93) JP2.4@5686.97,2826.97 ; 5670,2867.93 ccw(c5727.93,2867.93) JP2.4@5686.97,2826.97
  Bottom Layer w15: v1(3442.91,3670.27) 3442.91,3672.91 3900,3672.91 ; TFT_2.4'.4@4195,3672.91 3900,3672.91 ; TFT_2.4'.3@4195,3700.47 3927.56,3700.47 3900,3672.91 ; U4.1@5110,2918.43 5151.57,2960 ; JP2.3@5670,2710 JP2.4@5670,2810 5670,2912.36 5622.36,2960 5151.57,2960 ; v1@3444.68,3668.5 cw(c3455.33,3657.86) 3455.33,3672.91 ; v1@3444.68,3668.5 cw(c3455.33,3657.86) 3455.33,3672.91 ; v1@3444.68,3668.5 cw(c3455.33,3657.86) 3455.33,3672.91 ; v1@3444.68,3668.5 cw(c3455.33,3657.86) 3455.33,3672.91 ; U4.1@5112.84,2946.21 ccw(c5117.7,2993.87) 5151.57,2960 ; U4.1@5112.84,2946.21 ccw(c5117.7,2993.87) 5151.57,2960 ; U4.1@5112.84,2946.21 ccw(c5117.7,2993.87) 5151.57,2960 ; U4.1@5112.84,2946.21 ccw(c5117.7,2993.87) 5151.57,2960 ; U4.1@5137.79,2921.26 cw(c5185.45,2926.12) 5151.57,2960 ; U4.1@5137.79,2921.26 cw(c5185.45,2926.12) 5151.57,2960 ; U4.1@5137.79,2921.26 cw(c5185.45,2926.12) 5151.57,2960 ; U4.1@5137.79,2921.26 cw(c5185.45,2926.12) 5151.57,2960 ; JP2.3@5653.03,2726.97 ccw(c5612.07,2767.93) 5670,2767.93 ; JP2.3@5653.03,2726.97 ccw(c5612.07,2767.93) 5670,2767.93 ; JP2.3@5653.03,2726.97 ccw(c5612.07,2767.93) 5670,2767.93 ; JP2.3@5653.03,2726.97 ccw(c5612.07,2767.93) 5670,2767.93 ; JP2.4@5653.03,2793.03 cw(c5612.07,2752.07) 5670,2752.07 ; JP2.4@5653.03,2793.03 cw(c5612.07,2752.07) 5670,2752.07 ; JP2.4@5653.03,2793.03 cw(c5612.07,2752.07) 5670,2752.07 ; JP2.4@5653.03,2793.03 cw(c5612.07,2752.07) 5670,2752.07 ; JP2.4@5653.03,2826.97 ccw(c5612.07,2867.93) 5670,2867.93 ; JP2.4@5653.03,2826.97 ccw(c5612.07,2867.93) 5670,2867.93 ; JP2.4@5653.03,2826.97 ccw(c5612.07,2867.93) 5670,2867.93 ; JP2.4@5653.03,2826.97 ccw(c5612.07,2867.93) 5670,2867.93 ; 5670,2752.07 cw(c5727.93,2752.07) JP2.4@5686.97,2793.03 ; 5670,2752.07 cw(c5727.93,2752.07) JP2.4@5686.97,2793.03 ; 5670,2752.07 cw(c5727.93,2752.07) JP2.4@5686.97,2793.03 ; 5670,2752.07 cw(c5727.93,2752.07) JP2.4@5686.97,2793.03 ; 5670,2767.93 ccw(c5727.93,2767.93) JP2.3@5686.97,2726.97 ; 5670,2767.93 ccw(c5727.93,2767.93) JP2.3@5686.97,2726.97 ; 5670,2767.93 ccw(c5727.93,2767.93) JP2.3@5686.97,2726.97 ; 5670,2767.93 ccw(c5727.93,2767.93) JP2.3@5686.97,2726.97 ; 5670,2867.93 ccw(c5727.93,2867.93) JP2.4@5686.97,2826.97 ; 5670,2867.93 ccw(c5727.93,2867.93) JP2.4@5686.97,2826.97 ; 5670,2867.93 ccw(c5727.93,2867.93) JP2.4@5686.97,2826.97 ; 5670,2867.93 ccw(c5727.93,2867.93) JP2.4@5686.97,2826.97
5V: C1.1 C2.1 C4.1 C5.1 D1.1 JP2.1 JP2.2 R1.1 U1.16 USB_OTG1.1 V1.3 | length 7139
  Top Layer w15: V1.3@4889.45,3537.48 4889.45,3580.55 ; C2.1@5240,3708.41 5240,3753.23 ; U1.16@5240,3808.73 5240,3753.23 ; D1.1@5324.88,3050 5324.88,3044.01 5400.89,2968 5552,2968 5570,2950 JP2.2@5570,2810 ; JP2.1@5570,2710 JP2.2@5570,2810 ; R1.1@5890,4224.41 5834.41,4224.41 5794.41,4184.41 C1.1@5794.41,4150 5794.41,3874.41 5800,3868.82 ; C5.1@4849.1,3635.3 ccw(c4836.3,3648.1) 4854.41,3648.1 ; C5.1@4849.1,3635.3 ccw(c4836.3,3648.1) 4854.41,3648.1 ; C5.1@4849.1,3635.3 ccw(c4836.3,3648.1) 4854.41,3648.1 ; C5.1@4849.1,3635.3 ccw(c4836.3,3648.1) 4854.41,3648.1 ; C4.1@4849.1,3694.69 cw(c4836.3,3681.89) 4854.41,3681.89 ; C4.1@4849.1,3694.69 cw(c4836.3,3681.89) 4854.41,3681.89 ; C4.1@4849.1,3694.69 cw(c4836.3,3681.89) 4854.41,3681.89 ; C4.1@4849.1,3694.69 cw(c4836.3,3681.89) 4854.41,3681.89 ; 4854.41,3648.1 ccw(c4872.51,3648.1) C5.1@4859.71,3635.3 ; 4854.41,3648.1 ccw(c4872.51,3648.1) C5.1@4859.71,3635.3 ; 4854.41,3648.1 ccw(c4872.51,3648.1) C5.1@4859.71,3635.3 ; 4854.41,3648.1 ccw(c4872.51,3648.1) C5.1@4859.71,3635.3 ; 4854.41,3681.89 cw(c4872.51,3681.89) C4.1@4859.71,3694.69 ; 4854.41,3681.89 cw(c4872.51,3681.89) C4.1@4859.71,3694.69 ; 4854.41,3681.89 cw(c4872.51,3681.89) C4.1@4859.71,3694.69 ; 4854.41,3681.89 cw(c4872.51,3681.89) C4.1@4859.71,3694.69 ; C4.1@4854.41,3707.5 ccw(c4854.41,3725.6) C4.1@4867.21,3712.8 ; C4.1@4854.41,3707.5 ccw(c4854.41,3725.6) C4.1@4867.21,3712.8 ; C4.1@4854.41,3707.5 ccw(c4854.41,3725.6) C4.1@4867.21,3712.8 ; C4.1@4854.41,3707.5 ccw(c4854.41,3725.6) C4.1@4867.21,3712.8 ; C5.1@4861.91,3630 ccw(c4914.78,3630) 4877.39,3592.61 ; C5.1@4861.91,3630 ccw(c4914.78,3630) 4877.39,3592.61 ; C5.1@4861.91,3630 ccw(c4914.78,3630) 4877.39,3592.61 ; C5.1@4861.91,3630 ccw(c4914.78,3630) 4877.39,3592.61 ; C4.1@4861.91,3700 cw(c4880.01,3700) C4.1@4867.21,3712.8 ; C4.1@4861.91,3700 cw(c4880.01,3700) C4.1@4867.21,3712.8 ; C4.1@4861.91,3700 cw(c4880.01,3700) C4.1@4867.21,3712.8 ; C4.1@4861.91,3700 cw(c4880.01,3700) C4.1@4867.21,3712.8 ; V1.3@4880.86,3559.9 ccw(c4860.34,3580.55) 4889.45,3580.55 ; V1.3@4880.86,3559.9 ccw(c4860.34,3580.55) 4889.45,3580.55 ; V1.3@4880.86,3559.9 ccw(c4860.34,3580.55) 4889.45,3580.55 ; V1.3@4880.86,3559.9 ccw(c4860.34,3580.55) 4889.45,3580.55 ; 4889.45,3580.55 ccw(c4918.56,3580.55) V1.3@4898.04,3559.9 ; 4889.45,3580.55 ccw(c4918.56,3580.55) V1.3@4898.04,3559.9 ; 4889.45,3580.55 ccw(c4918.56,3580.55) V1.3@4898.04,3559.9 ; 4889.45,3580.55 ccw(c4918.56,3580.55) V1.3@4898.04,3559.9 ; 4889.45,3580.55 4854.41,3615.59 C5.1@4854.41,3630 C4.1@4854.41,3700 4907.64,3753.23 5240,3753.23 ; C2.1@5230.29,3705.31 ccw(c5206.85,3728.75) 5240,3728.75 ; C2.1@5230.29,3705.31 ccw(c5206.85,3728.75) 5240,3728.75 ; C2.1@5230.29,3705.31 ccw(c5206.85,3728.75) 5240,3728.75 ; C2.1@5230.29,3705.31 ccw(c5206.85,3728.75) 5240,3728.75 ; 5240,3753.23 5288.82,3753.23 5317.59,3782 5613.05,3782 5699.87,3868.82 ; D1.1@5337.07,3050 ccw(c5380.96,3050) 5349.92,3018.97 ; D1.1@5337.07,3050 ccw(c5380.96,3050) 5349.92,3018.97 ; D1.1@5337.07,3050 ccw(c5380.96,3050) 5349.92,3018.97 ; D1.1@5337.07,3050 ccw(c5380.96,3050) 5349.92,3018.97 ; JP2.1@5553.03,2726.97 ccw(c5512.07,2767.93) 5570,2767.93 ; JP2.1@5553.03,2726.97 ccw(c5512.07,2767.93) 5570,2767.93 ; JP2.1@5553.03,2726.97 ccw(c5512.07,2767.93) 5570,2767.93 ; JP2.1@5553.03,2726.97 ccw(c5512.07,2767.93) 5570,2767.93 ; JP2.2@5553.03,2793.03 cw(c5512.07,2752.07) 5570,2752.07 ; JP2.2@5553.03,2793.03 cw(c5512.07,2752.07) 5570,2752.07 ; JP2.2@5553.03,2793.03 cw(c5512.07,2752.07) 5570,2752.07 ; JP2.2@5553.03,2793.03 cw(c5512.07,2752.07) 5570,2752.07 ; JP2.2@5553.03,2826.97 ccw(c5512.07,2867.93) 5570,2867.93 ; JP2.2@5553.03,2826.97 ccw(c5512.07,2867.93) 5570,2867.93 ; JP2.2@5553.03,2826.97 ccw(c5512.07,2867.93) 5570,2867.93 ; JP2.2@5553.03,2826.97 ccw(c5512.07,2867.93) 5570,2867.93 ; JP2.2@5564.12,2808.8 ccw(c5600.44,2816.23) 5590.85,2780.42 ; JP2.2@5564.12,2808.8 ccw(c5600.44,2816.23) 5590.85,2780.42 ; JP2.2@5564.12,2808.8 ccw(c5600.44,2816.23) 5590.85,2780.42 ; JP2.2@5564.12,2808.8 ccw(c5600.44,2816.23) 5590.85,2780.42 ; JP2.2@5564.12,2808.8 ccw(c5600.44,2816.23) 5590.85,2780.42 ; JP2.2@5564.12,2808.8 ccw(c5600.44,2816.23) 5590.85,2780.42 ; 5570,2752.07 cw(c5627.93,2752.07) JP2.2@5586.97,2793.03 ; 5570,2752.07 cw(c5627.93,2752.07) JP2.2@5586.97,2793.03 ; 5570,2752.07 cw(c5627.93,2752.07) JP2.2@5586.97,2793.03 ; 5570,2752.07 cw(c5627.93,2752.07) JP2.2@5586.97,2793.03 ; 5570,2767.93 ccw(c5627.93,2767.93) JP2.1@5586.97,2726.97 ; 5570,2767.93 ccw(c5627.93,2767.93) JP2.1@5586.97,2726.97 ; 5570,2767.93 ccw(c5627.93,2767.93) JP2.1@5586.97,2726.97 ; 5570,2767.93 ccw(c5627.93,2767.93) JP2.1@5586.97,2726.97 ; JP2.2@5570,2786 cw(c5570,2728.07) 5610.96,2769.04 ; JP2.2@5570,2786 cw(c5570,2728.07) 5610.96,2769.04 ; JP2.2@5570,2786 cw(c5570,2728.07) 5610.96,2769.04 ; JP2.2@5570,2786 cw(c5570,2728.07) 5610.96,2769.04 ; JP2.2@5570,2810 5620,2760 5820,2760 5920,2860 5920,3850 5901.18,3868.82 5800,3868.82 ; 5570,2867.93 ccw(c5627.93,2867.93) JP2.2@5586.97,2826.97 ; 5570,2867.93 ccw(c5627.93,2867.93) JP2.2@5586.97,2826.97 ; 5570,2867.93 ccw(c5627.93,2867.93) JP2.2@5586.97,2826.97 ; 5570,2867.93 ccw(c5627.93,2867.93) JP2.2@5586.97,2826.97 ; JP2.2@5571.2,2815.88 cw(c5563.77,2779.56) 5599.58,2789.15 ; JP2.2@5571.2,2815.88 cw(c5563.77,2779.56) 5599.58,2789.15 ; JP2.2@5571.2,2815.88 cw(c5563.77,2779.56) 5599.58,2789.15 ; JP2.2@5571.2,2815.88 cw(c5563.77,2779.56) 5599.58,2789.15 ; JP2.2@5571.2,2815.88 cw(c5563.77,2779.56) 5599.58,2789.15 ; JP2.2@5571.2,2815.88 cw(c5563.77,2779.56) 5599.58,2789.15 ; JP2.2@5594,2810 ccw(c5651.93,2810) 5610.96,2769.04 ; JP2.2@5594,2810 ccw(c5651.93,2810) 5610.96,2769.04 ; JP2.2@5594,2810 ccw(c5651.93,2810) 5610.96,2769.04 ; JP2.2@5594,2810 ccw(c5651.93,2810) 5610.96,2769.04 ; 5692.88,3861.83 cw(c5711.22,3843.49) USB_OTG1.1@5711.22,3869.43 ; 5692.88,3861.83 cw(c5711.22,3843.49) USB_OTG1.1@5711.22,3869.43 ; 5692.88,3861.83 cw(c5711.22,3843.49) USB_OTG1.1@5711.22,3869.43 ; 5692.88,3861.83 cw(c5711.22,3843.49) USB_OTG1.1@5711.22,3869.43 ; 5699.87,3868.82 cw(c5705.99,3862.69) USB_OTG1.1@5711.62,3869.28 ; 5699.87,3868.82 cw(c5705.99,3862.69) USB_OTG1.1@5711.62,3869.28 ; 5699.87,3868.82 cw(c5705.99,3862.69) USB_OTG1.1@5711.62,3869.28 ; 5699.87,3868.82 cw(c5705.99,3862.69) USB_OTG1.1@5711.62,3869.28 ; 5699.87,3868.82 USB_OTG1.1@5735.83,3868.82 5800,3868.82 ; C1.1@5789.1,4144.69 cw(c5776.3,4131.89) 5794.41,4131.89 ; C1.1@5789.1,4144.69 cw(c5776.3,4131.89) 5794.41,4131.89 ; C1.1@5789.1,4144.69 cw(c5776.3,4131.89) 5794.41,4131.89 ; C1.1@5789.1,4144.69 cw(c5776.3,4131.89) 5794.41,4131.89 ; C1.1@5789.1,4155.3 ccw(c5776.3,4168.1) 5794.41,4168.1 ; C1.1@5789.1,4155.3 ccw(c5776.3,4168.1) 5794.41,4168.1 ; C1.1@5789.1,4155.3 ccw(c5776.3,4168.1) 5794.41,4168.1 ; C1.1@5789.1,4155.3 ccw(c5776.3,4168.1) 5794.41,4168.1 ; 5794.41,4131.89 cw(c5812.51,4131.89) C1.1@5799.71,4144.69 ; 5794.41,4131.89 cw(c5812.51,4131.89) C1.1@5799.71,4144.69 ; 5794.41,4131.89 cw(c5812.51,4131.89) C1.1@5799.71,4144.69 ; 5794.41,4131.89 cw(c5812.51,4131.89) C1.1@5799.71,4144.69 ; 5794.41,4168.1 ccw(c5812.51,4168.1) C1.1@5799.71,4155.3 ; 5794.41,4168.1 ccw(c5812.51,4168.1) C1.1@5799.71,4155.3 ; 5794.41,4168.1 ccw(c5812.51,4168.1) C1.1@5799.71,4155.3 ; 5794.41,4168.1 ccw(c5812.51,4168.1) C1.1@5799.71,4155.3 ; 5871.9,4224.41 cw(c5871.9,4206.3) R1.1@5884.7,4219.1 ; 5871.9,4224.41 ccw(c5871.9,4242.51) R1.1@5884.7,4229.71 ; 5871.9,4224.41 cw(c5871.9,4206.3) R1.1@5884.7,4219.1 ; 5871.9,4224.41 ccw(c5871.9,4242.51) R1.1@5884.7,4229.71 ; 5871.9,4224.41 cw(c5871.9,4206.3) R1.1@5884.7,4219.1 ; 5871.9,4224.41 ccw(c5871.9,4242.51) R1.1@5884.7,4229.71 ; 5871.9,4224.41 cw(c5871.9,4206.3) R1.1@5884.7,4219.1 ; 5871.9,4224.41 ccw(c5871.9,4242.51) R1.1@5884.7,4229.71